# KiCad board kim-1.kicad_pcb (continued)
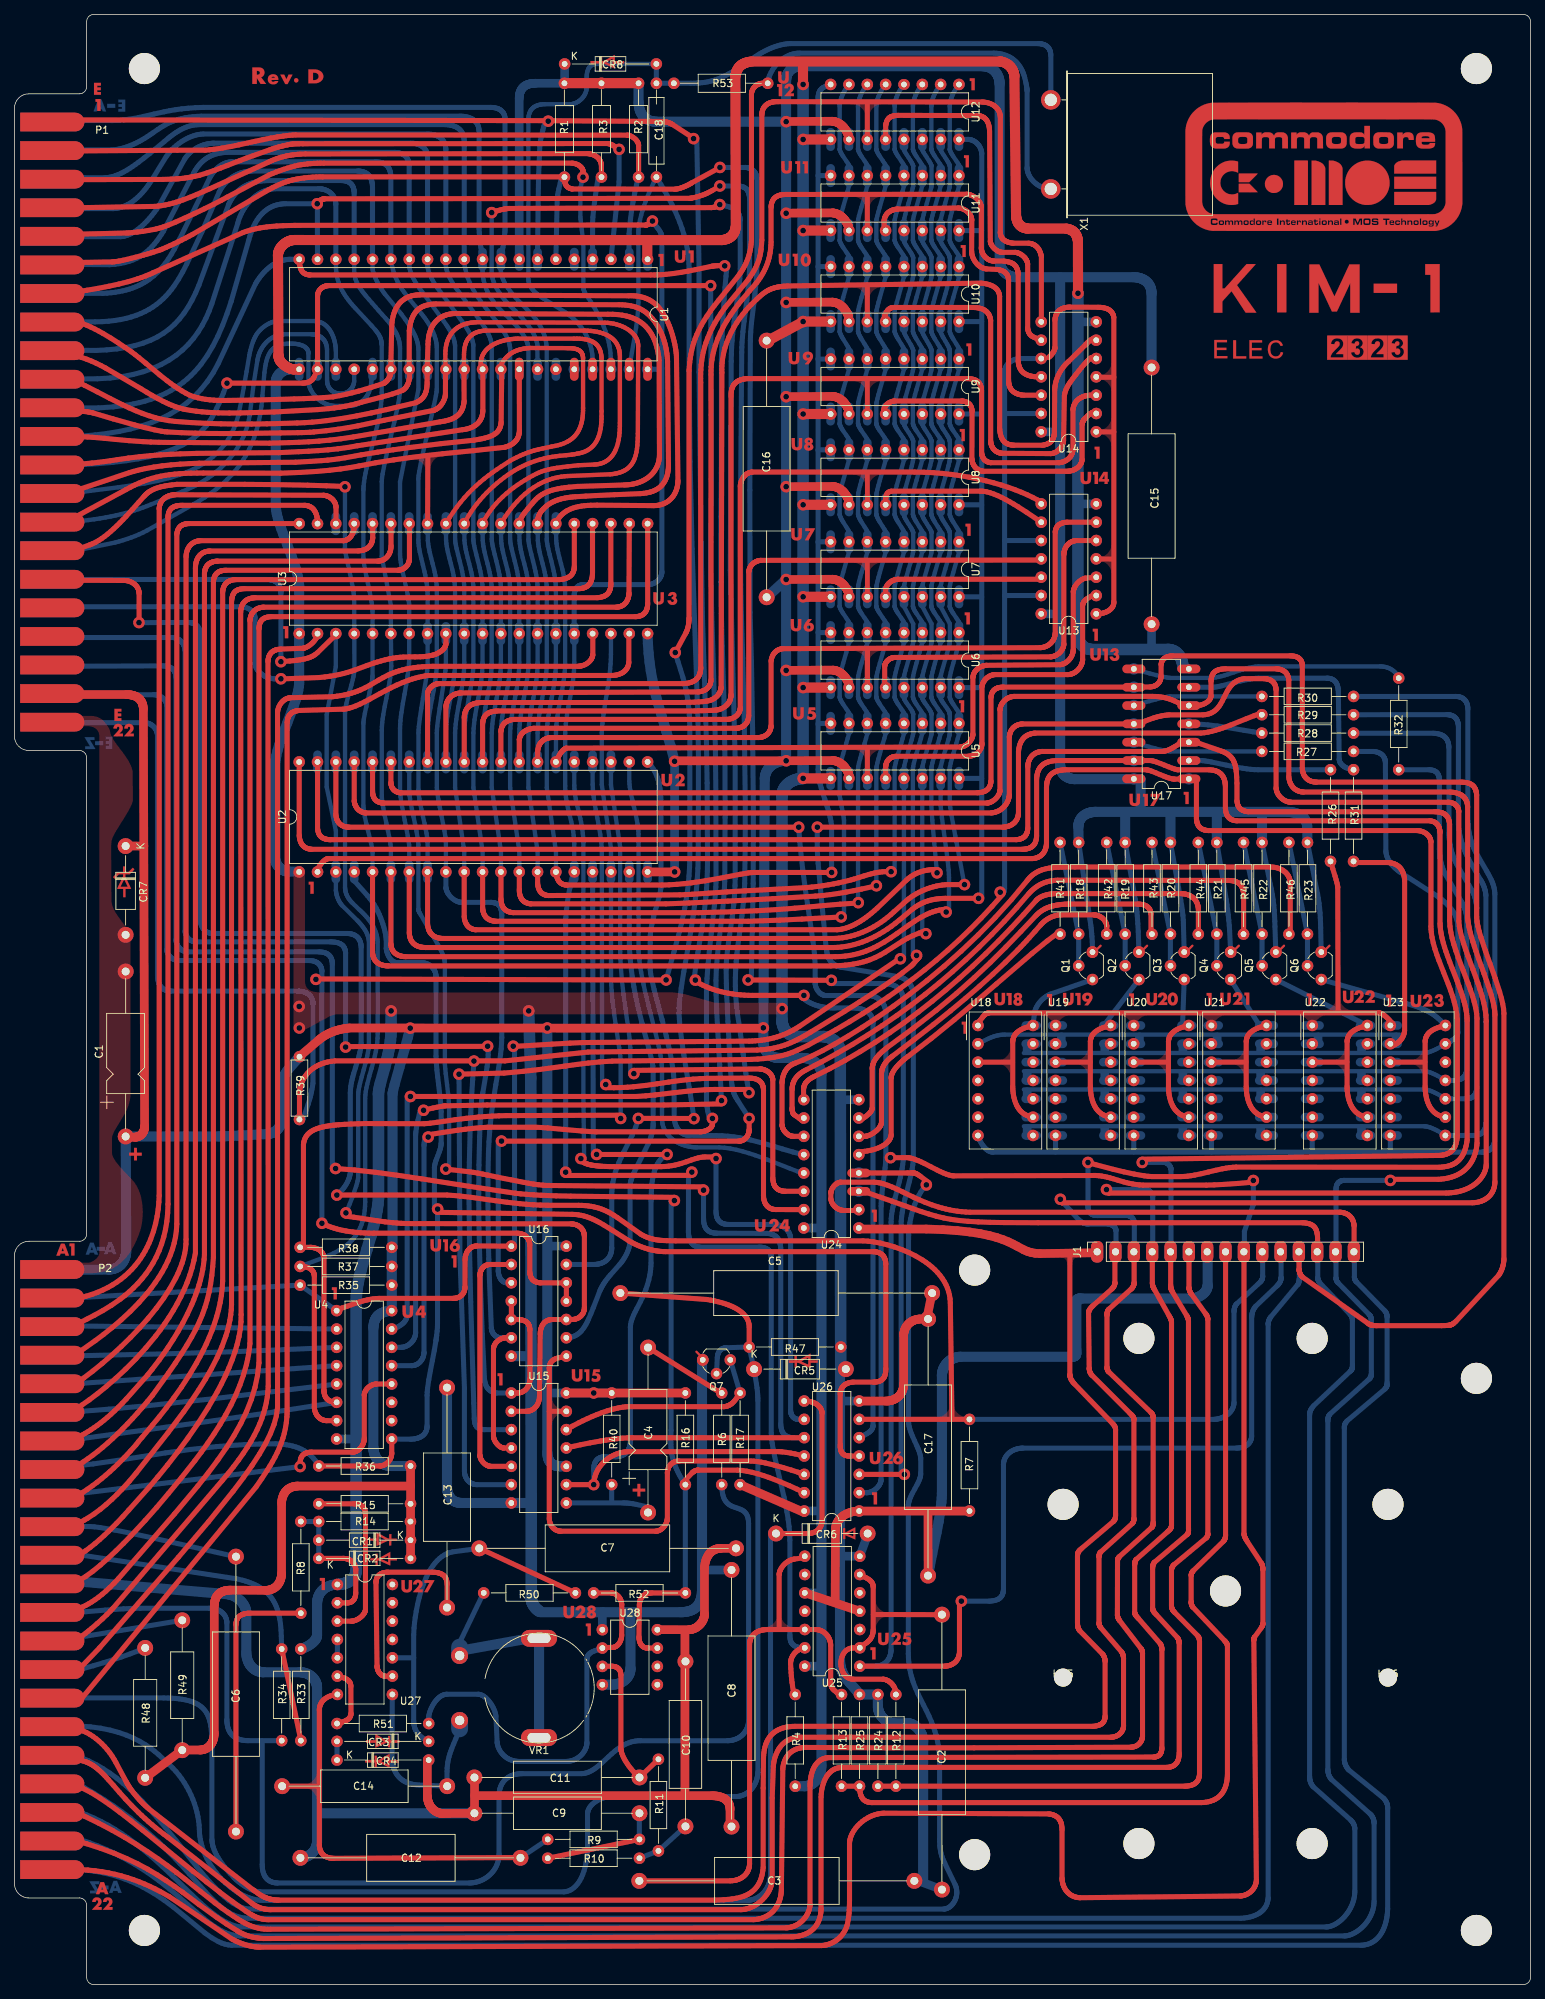
[diagram p0: board, top side]
## Copper pours and planes (outline as drawn; the poured copper is in the pictures) (continued)
/A7 on Bottom: 133.83,219.54 133.84,219.54 133.89,219.5 133.89,219.48 133.91,219.42 133.9,215.82 133.64,215.81 133.64,215.88 133.63,215.94 133.62,216 133.6,216.06 133.58,216.12 133.56,216.18 133.53,216.24 133.51,216.31 133.47,216.37 133.44,216.43 133.4,216.49 133.36,216.55 133.28,216.66 133.19,216.77 133.09,216.87 132.99,216.97 132.88,217.05 132.78,217.12 132.73,217.15 132.67,217.18 132.62,217.2 132.57,217.22 132.53,217.24 132.48,217.25 132.43,217.26 132.39,217.27 132.27,217.4 132.27,217.85 132.44,217.98 132.48,217.99 132.53,218 132.58,218.01 132.62,218.03 132.67,218.06 132.72,218.08 132.77,218.11 132.88,218.18 132.98,218.27 133.08,218.36 133.18,218.47 133.27,218.58 133.36,218.7 133.43,218.82 133.5,218.94 133.55,219.07 133.6,219.2 133.61,219.26 133.63,219.32 133.64,219.38 133.64,219.44 133.65,219.48 133.69,219.52 133.7,219.53 133.76,219.56 133.77,219.56
/A7 on Bottom: 133.83,206.96 133.84,206.95 133.89,206.91 133.89,206.9 133.91,206.84 133.91,203.24 133.64,203.23 133.64,203.29 133.63,203.35 133.62,203.41 133.6,203.47 133.58,203.54 133.56,203.6 133.53,203.66 133.51,203.72 133.47,203.78 133.44,203.84 133.4,203.9 133.36,203.96 133.28,204.08 133.19,204.19 133.09,204.29 132.99,204.38 132.88,204.47 132.78,204.54 132.73,204.57 132.67,204.6 132.62,204.62 132.57,204.64 132.53,204.66 132.48,204.67 132.43,204.68 132.39,204.69 132.27,205.26 132.44,205.4 132.48,205.4 132.53,205.41 132.58,205.43 132.62,205.45 132.67,205.47 132.72,205.5 132.77,205.53 132.88,205.6 132.98,205.68 133.08,205.78 133.18,205.88 133.27,205.99 133.36,206.11 133.43,206.23 133.5,206.36 133.55,206.49 133.6,206.61 133.61,206.67 133.63,206.73 133.64,206.79 133.64,206.85 133.65,206.89 133.69,206.94 133.7,206.95 133.76,206.97 133.77,206.97
/AUD_H on Bottom: 36.16,33.7 36.21,33.67 36.22,33.66 36.25,33.61 36.26,33.6 36.25,33.53 36.25,33.52 36.21,33.47 36.2,33.47 36.14,33.45 36.08,33.44 36.02,33.43 35.96,33.42 35.9,33.4 35.77,33.36 35.64,33.3 35.52,33.23 35.4,33.16 35.28,33.07 35.17,32.98 35.06,32.88 34.97,32.78 34.88,32.68 34.81,32.58 34.78,32.53 34.76,32.48 34.73,32.43 34.71,32.38 34.7,32.33 34.69,32.29 34.68,32.24 34.68,32.2 34.55,32.07 34.1,32.07 34,32.12 33.97,32.19 33.96,32.24 33.95,32.28 33.94,32.33 33.92,32.38 33.9,32.43 33.88,32.48 33.85,32.53 33.82,32.58 33.75,32.68 33.67,32.79 33.57,32.89 33.47,32.99 33.36,33.08 33.25,33.17 33.19,33.2 33.13,33.24 33.07,33.28 33.01,33.31 32.94,33.34 32.88,33.36 32.82,33.38 32.76,33.4 32.7,33.42 32.64,33.43 32.58,33.44 32.51,33.44 32.52,33.71 36.12,33.71
/D0 on Top: 59.16,212.02 59.16,211.76 59.03,211.74 58.94,211.73 58.85,211.71 58.75,211.68 58.67,211.65 58.58,211.61 58.5,211.57 58.43,211.53 58.36,211.48 58.29,211.43 58.23,211.38 58.17,211.32 58.11,211.27 58.06,211.2 58.01,211.14 57.97,211.08 57.92,211.01 57.88,210.95 57.81,210.81 57.75,210.67 57.71,210.54 57.67,210.41 57.64,210.28 57.62,210.17 57.6,210.06 57.47,209.94 57.03,209.94 56.89,210.12 56.89,210.16 56.88,210.21 56.87,210.26 56.83,210.36 56.78,210.46 56.71,210.57 56.64,210.67 56.55,210.78 56.45,210.87 56.34,210.96 56.21,211.05 56.15,211.09 56.08,211.12 56.01,211.16 55.94,211.19 55.87,211.22 55.79,211.24 55.71,211.26 55.63,211.28 55.55,211.29 55.47,211.3 55.38,211.31 55.29,211.31 55.25,211.32 55.23,211.33 55.2,211.35 55.19,211.36 55.18,211.39 55.17,211.41 55.16,211.43 55.17,211.46 55.17,211.48 55.17,211.5 55.19,211.52 55.21,211.55 55.22,211.56 55.25,211.56 55.28,211.58 58.99,212.01 59.13,212.02
/D0 on Top: 119.93,260.8 119.94,260.54 119.88,260.53 119.82,260.53 119.76,260.51 119.7,260.5 119.64,260.48 119.57,260.46 119.51,260.43 119.45,260.4 119.39,260.37 119.33,260.34 119.27,260.3 119.21,260.26 119.09,260.18 118.98,260.09 118.88,259.99 118.79,259.89 118.71,259.78 118.67,259.73 118.64,259.68 118.6,259.63 118.58,259.58 118.55,259.53 118.53,259.48 118.52,259.43 118.5,259.38 118.49,259.34 118.49,259.29 118.43,259.2 118.36,259.18 117.91,259.18 117.78,259.34 117.77,259.39 117.76,259.43 117.74,259.48 117.72,259.53 117.7,259.58 117.67,259.63 117.64,259.68 117.57,259.78 117.49,259.88 117.39,259.98 117.29,260.08 117.18,260.17 117.06,260.26 116.94,260.33 116.81,260.4 116.69,260.46 116.56,260.5 116.5,260.52 116.44,260.53 116.38,260.54 116.32,260.55 116.28,260.56 116.23,260.59 116.22,260.6 116.2,260.66 116.2,260.67 116.21,260.73 116.22,260.75 116.26,260.79 116.27,260.8 116.33,260.81
/D1 on Top: 116.35,247.98 119.88,247.98 119.92,247.97 119.98,247.94 119.98,247.93 120.01,247.87 120.01,247.86 120.01,247.8 120,247.79 119.97,247.74 119.96,247.73 119.9,247.71 119.83,247.7 119.76,247.7 119.69,247.68 119.63,247.67 119.57,247.65 119.5,247.62 119.44,247.6 119.38,247.57 119.32,247.54 119.26,247.51 119.2,247.47 119.15,247.43 119.09,247.39 119.04,247.35 118.99,247.31 118.94,247.26 118.85,247.17 118.77,247.07 118.69,246.97 118.66,246.92 118.63,246.87 118.6,246.82 118.58,246.77 118.56,246.72 118.54,246.67 118.53,246.63 118.51,246.58 118.51,246.53 118.5,246.48 118.49,246.45 118.48,246.44 118.44,246.39 118.43,246.38 118.37,246.37 118.36,246.37 117.9,246.41 117.81,246.46 117.78,246.53 117.78,246.58 117.77,246.62 117.76,246.67 117.75,246.72 117.73,246.77 117.71,246.81 117.65,246.92 117.59,247.02 117.51,247.12 117.42,247.22 117.31,247.32 117.2,247.41 117.08,247.49 117.01,247.52 116.95,247.56 116.88,247.59 116.81,247.62 116.74,247.64 116.66,247.66 116.59,247.68 116.51,247.7 116.44,247.71 116.19,247.71 116.19,247.98
/D2 on Top: 119.95,235.21 119.88,235.21 119.82,235.2 119.76,235.19 119.7,235.17 119.64,235.15 119.58,235.13 119.52,235.11 119.45,235.08 119.39,235.05 119.33,235.01 119.27,234.98 119.21,234.94 119.1,234.85 118.99,234.76 118.89,234.66 118.79,234.56 118.71,234.46 118.67,234.41 118.64,234.35 118.61,234.3 118.58,234.25 118.56,234.2 118.54,234.15 118.52,234.1 118.5,234.06 118.5,234.01 118.49,233.96 118.43,233.87 117.91,233.85 117.78,234.02 117.77,234.06 117.76,234.11 117.75,234.16 117.73,234.21 117.71,234.26 117.66,234.36 117.59,234.46 117.51,234.57 117.42,234.67 117.32,234.76 117.2,234.85 117.08,234.93 117.02,234.97 116.95,235 116.88,235.03 116.81,235.06 116.74,235.08 116.67,235.11 116.59,235.12 116.52,235.14 116.44,235.15 116.36,235.16 116.3,235.16 116.2,235.16 116.16,235.16 116.19,235.42 116.3,235.42 119.93,235.48
/D3 on Top: 119.95,222.2 119.88,222.19 119.82,222.18 119.76,222.17 119.7,222.16 119.64,222.14 119.57,222.12 119.51,222.1 119.45,222.07 119.39,222.04 119.32,222.01 119.26,221.98 119.2,221.94 119.09,221.86 118.98,221.78 118.87,221.69 118.78,221.59 118.74,221.54 118.7,221.49 118.66,221.44 118.62,221.39 118.59,221.34 118.56,221.3 118.54,221.25 118.52,221.2 118.5,221.15 118.49,221.11 118.48,221.06 118.47,221.02 118.35,220.9 117.93,220.89 117.9,220.89 117.88,220.9 117.86,220.91 117.83,220.93 117.82,220.94 117.81,220.97 117.8,221 117.79,221.06 117.79,221.1 117.78,221.15 117.76,221.19 117.74,221.24 117.72,221.29 117.67,221.4 117.6,221.5 117.52,221.6 117.42,221.7 117.32,221.79 117.2,221.88 117.08,221.96 116.94,222.03 116.88,222.06 116.81,222.09 116.73,222.11 116.66,222.13 116.58,222.15 116.51,222.17 116.43,222.18 116.35,222.18 116.33,222.18 116.19,222.18 116.18,222.45 116.33,222.45 119.94,222.46
/D4 on Top: 119.95,209.5 119.96,209.23 119.89,209.23 119.83,209.22 119.77,209.21 119.71,209.2 119.65,209.18 119.58,209.16 119.52,209.13 119.46,209.11 119.4,209.08 119.33,209.05 119.27,209.01 119.21,208.98 119.1,208.9 118.99,208.81 118.88,208.72 118.79,208.63 118.75,208.58 118.71,208.53 118.67,208.48 118.63,208.43 118.6,208.38 118.57,208.33 118.55,208.29 118.53,208.24 118.51,208.19 118.5,208.15 118.49,208.1 118.48,208.06 118.36,207.94 117.94,207.93 117.91,207.93 117.89,207.93 117.84,207.97 117.83,207.98 117.81,208.03 117.8,208.09 117.8,208.14 117.78,208.18 117.77,208.23 117.75,208.28 117.73,208.32 117.67,208.43 117.6,208.53 117.52,208.63 117.42,208.72 117.31,208.82 117.19,208.9 117.07,208.98 116.93,209.06 116.79,209.12 116.72,209.14 116.65,209.17 116.57,209.19 116.5,209.2 116.42,209.22 116.35,209.23 116.27,209.23 116.19,209.23 116.2,209.5
/D5 on Top: 119.94,197.29 119.95,197.02 119.89,197.02 119.83,197.01 119.77,197 119.7,196.98 119.64,196.97 119.58,196.95 119.52,196.92 119.45,196.9 119.39,196.87 119.33,196.83 119.27,196.8 119.21,196.77 119.09,196.69 118.98,196.6 118.88,196.51 118.78,196.41 118.74,196.37 118.7,196.32 118.66,196.27 118.63,196.22 118.6,196.17 118.57,196.12 118.55,196.07 118.53,196.03 118.51,195.98 118.49,195.93 118.49,195.89 118.48,195.84 118.35,195.73 117.94,195.71 117.9,195.72 117.89,195.72 117.84,195.75 117.83,195.77 117.8,195.82 117.8,195.88 117.79,195.93 117.78,195.97 117.77,196.02 117.75,196.06 117.72,196.11 117.67,196.21 117.6,196.31 117.51,196.41 117.41,196.51 117.31,196.61 117.19,196.69 117.06,196.77 116.93,196.84 116.79,196.91 116.72,196.93 116.64,196.95 116.57,196.97 116.49,196.99 116.42,197 116.34,197.01 116.27,197.02 116.19,197.02 116.19,197.29
/D6 on Top: 119.95,185.08 119.96,184.81 119.9,184.81 119.84,184.8 119.78,184.79 119.71,184.78 119.65,184.76 119.59,184.74 119.53,184.71 119.46,184.69 119.4,184.66 119.34,184.63 119.28,184.59 119.22,184.56 119.1,184.48 118.99,184.39 118.89,184.3 118.79,184.21 118.75,184.16 118.71,184.11 118.67,184.06 118.64,184.01 118.61,183.96 118.58,183.91 118.56,183.87 118.54,183.82 118.52,183.77 118.51,183.73 118.5,183.68 118.49,183.64 118.36,183.52 117.95,183.51 117.91,183.51 117.9,183.51 117.85,183.55 117.84,183.56 117.81,183.61 117.81,183.67 117.8,183.72 117.79,183.76 117.78,183.81 117.76,183.86 117.73,183.9 117.68,184.01 117.61,184.11 117.52,184.21 117.42,184.3 117.32,184.4 117.2,184.48 117.07,184.56 116.94,184.64 116.8,184.7 116.73,184.72 116.65,184.75 116.58,184.77 116.5,184.78 116.43,184.8 116.35,184.81 116.28,184.81 116.2,184.81 116.2,185.08
/D7 on Top: 119.95,171.37 119.96,171.1 119.9,171.1 119.84,171.09 119.78,171.08 119.71,171.07 119.65,171.05 119.59,171.03 119.53,171 119.46,170.98 119.4,170.95 119.34,170.92 119.28,170.88 119.22,170.85 119.1,170.77 118.99,170.68 118.89,170.59 118.79,170.5 118.75,170.45 118.71,170.4 118.67,170.35 118.64,170.3 118.61,170.25 118.58,170.2 118.56,170.15 118.54,170.11 118.52,170.06 118.51,170.02 118.5,169.97 118.49,169.92 118.36,169.81 117.95,169.79 117.91,169.8 117.9,169.8 117.85,169.84 117.84,169.85 117.81,169.9 117.81,169.96 117.8,170.01 117.79,170.05 117.78,170.1 117.76,170.15 117.73,170.19 117.68,170.3 117.61,170.4 117.52,170.5 117.42,170.59 117.32,170.69 117.2,170.77 117.07,170.85 116.94,170.93 116.8,170.99 116.73,171.01 116.65,171.04 116.58,171.06 116.5,171.07 116.43,171.09 116.35,171.1 116.28,171.1 116.2,171.1 116.2,171.37
/E on Bottom: 166.16,116.89 166.16,116.85 166.18,116.8 166.19,116.75 166.21,116.71 166.23,116.66 166.26,116.61 166.29,116.56 166.36,116.45 166.44,116.35 166.54,116.25 166.64,116.15 166.76,116.06 166.87,115.98 167,115.9 167.12,115.83 167.25,115.78 167.37,115.73 167.43,115.72 167.49,115.7 167.55,115.69 167.62,115.69 167.65,115.68 167.7,115.64 167.71,115.63 167.73,115.57 167.73,115.56 167.72,115.5 167.72,115.49 167.67,115.44 167.66,115.44 167.6,115.42 164,115.43 163.99,115.69 164.05,115.69 164.11,115.7 164.17,115.71 164.24,115.73 164.3,115.75 164.36,115.77 164.42,115.8 164.48,115.82 164.54,115.86 164.61,115.89 164.67,115.93 164.72,115.97 164.84,116.05 164.95,116.14 165.05,116.24 165.14,116.34 165.23,116.45 165.3,116.55 165.33,116.6 165.36,116.66 165.38,116.71 165.4,116.76 165.42,116.8 165.43,116.85 165.44,116.9 165.45,116.94 165.46,116.98 165.51,117.04 166.02,117.06
/E on Bottom: 155.39,116.89 155.4,116.85 155.41,116.8 155.42,116.75 155.44,116.71 155.46,116.66 155.49,116.61 155.52,116.56 155.59,116.45 155.68,116.35 155.77,116.25 155.87,116.15 155.99,116.06 156.1,115.98 156.23,115.9 156.35,115.83 156.48,115.78 156.6,115.73 156.66,115.72 156.72,115.7 156.78,115.69 156.85,115.69 156.88,115.68 156.93,115.64 156.94,115.63 156.96,115.57 156.96,115.56 156.95,115.5 156.95,115.49 156.9,115.44 156.89,115.44 156.83,115.42 153.23,115.43 153.22,115.69 153.28,115.69 153.34,115.7 153.4,115.71 153.47,115.73 153.53,115.75 153.59,115.77 153.65,115.8 153.71,115.82 153.78,115.86 153.84,115.89 153.9,115.93 153.95,115.97 154.07,116.05 154.18,116.14 154.28,116.24 154.37,116.34 154.46,116.45 154.53,116.55 154.56,116.6 154.59,116.66 154.61,116.71 154.63,116.76 154.65,116.8 154.66,116.85 154.67,116.9 154.68,116.94 154.69,116.98 154.81,117.06 155.25,117.06
/E on Bottom: 180.12,116.89 180.13,116.85 180.14,116.8 180.15,116.75 180.17,116.71 180.19,116.66 180.22,116.61 180.25,116.56 180.32,116.45 180.41,116.35 180.5,116.25 180.6,116.15 180.72,116.06 180.83,115.98 180.96,115.9 181.08,115.83 181.21,115.78 181.33,115.73 181.39,115.72 181.46,115.7 181.52,115.69 181.58,115.69 181.61,115.68 181.66,115.64 181.67,115.63 181.69,115.57 181.7,115.56 181.68,115.5 181.68,115.49 181.63,115.44 181.62,115.44 181.56,115.42 177.96,115.43 177.95,115.69 178.02,115.69 178.07,115.7 178.14,115.71 178.2,115.73 178.26,115.75 178.32,115.77 178.38,115.8 178.44,115.82 178.51,115.86 178.57,115.89 178.63,115.93 178.69,115.97 178.8,116.05 178.91,116.14 179.01,116.24 179.11,116.34 179.19,116.45 179.26,116.55 179.29,116.6 179.32,116.66 179.34,116.71 179.36,116.76 179.38,116.8 179.39,116.85 179.4,116.9 179.41,116.94 179.47,117.04 179.98,117.06
/E on Bottom: 190.94,116.89 190.94,116.85 190.95,116.8 190.97,116.75 190.99,116.71 191.01,116.66 191.04,116.61 191.07,116.56 191.14,116.45 191.22,116.35 191.32,116.25 191.42,116.15 191.53,116.06 191.65,115.97 191.77,115.9 191.9,115.83 192.02,115.78 192.15,115.73 192.21,115.72 192.27,115.7 192.33,115.69 192.39,115.69 192.43,115.68 192.48,115.64 192.49,115.63 192.51,115.57 192.51,115.56 192.5,115.5 192.49,115.49 192.45,115.44 192.44,115.44 192.38,115.42 188.78,115.42 188.77,115.69 188.83,115.69 188.89,115.7 188.95,115.71 189.01,115.73 189.07,115.75 189.14,115.77 189.2,115.8 189.26,115.82 189.32,115.86 189.38,115.89 189.44,115.93 189.5,115.97 189.62,116.05 189.73,116.14 189.83,116.24 189.92,116.34 190,116.45 190.08,116.55 190.11,116.6 190.13,116.66 190.16,116.71 190.18,116.76 190.2,116.8 190.21,116.85 190.22,116.9 190.23,116.94 190.28,117.04 190.8,117.06
/E on Bottom: 144.56,116.89 144.57,116.84 144.58,116.8 144.6,116.75 144.62,116.7 144.64,116.65 144.67,116.6 144.69,116.55 144.77,116.45 144.85,116.35 144.94,116.25 145.05,116.15 145.16,116.06 145.28,115.97 145.4,115.9 145.53,115.83 145.65,115.77 145.78,115.73 145.84,115.71 145.9,115.7 145.96,115.69 146.02,115.68 146.06,115.67 146.11,115.64 146.12,115.63 146.14,115.57 146.14,115.56 146.13,115.5 146.12,115.49 146.08,115.44 146.07,115.43 146.01,115.42 142.41,115.42 142.4,115.69 142.46,115.69 142.52,115.7 142.58,115.71 142.64,115.73 142.7,115.75 142.76,115.77 142.83,115.79 142.89,115.82 142.95,115.85 143.01,115.89 143.07,115.93 143.13,115.96 143.25,116.05 143.35,116.14 143.46,116.24 143.55,116.34 143.63,116.45 143.7,116.55 143.73,116.6 143.76,116.65 143.79,116.7 143.81,116.75 143.82,116.8 143.84,116.85 143.85,116.89 143.85,116.94 143.86,116.98 144.43,117.06
/ROW0 on Top: 147.33,101.03 147.31,100.77 147.25,100.77 147.19,100.76 147.14,100.75 147.09,100.74 147.05,100.72 147,100.71 146.96,100.69 146.93,100.67 146.61,100.25 146.58,100.17 146.57,100.08 146.55,99.99 146.55,99.89 146.54,99.79 146.53,99.76 146.53,99.74 146.49,99.69 146.48,99.69 146.42,99.67 146.41,99.67 145.97,99.67 145.82,99.88 145.81,99.98 145.79,100.07 145.76,100.16 145.73,100.24 145.7,100.32 145.41,100.63 145.37,100.65 145.33,100.67 145.29,100.68 145.24,100.7 145.2,100.71 145.15,100.72 145.09,100.73 145.04,100.73 144.97,100.74 144.98,101 147.29,101.04
/~{RES} on Bottom: 89.62,225.78 89.63,225.78 89.67,225.73 89.68,225.72 89.69,225.66 89.69,222.06 89.43,222.05 89.42,222.11 89.41,222.17 89.4,222.23 89.39,222.3 89.37,222.36 89.34,222.42 89.32,222.48 89.29,222.54 89.26,222.6 89.22,222.67 89.19,222.73 89.15,222.78 89.06,222.9 88.97,223.01 88.87,223.11 88.77,223.2 88.67,223.29 88.56,223.36 88.51,223.39 88.46,223.42 88.41,223.44 88.36,223.46 88.31,223.48 88.26,223.49 88.22,223.5 88.17,223.51 88.14,223.52 88.06,223.64 88.06,224.08 88.23,224.22 88.27,224.22 88.31,224.24 88.36,224.25 88.41,224.27 88.46,224.29 88.51,224.32 88.56,224.35 88.66,224.42 88.77,224.5 88.87,224.6 88.96,224.7 89.05,224.81 89.14,224.93 89.22,225.06 89.28,225.18 89.34,225.31 89.38,225.43 89.4,225.49 89.41,225.55 89.42,225.61 89.43,225.68 89.44,225.71 89.47,225.76 89.48,225.77 89.54,225.79 89.56,225.79
SST on Top: 130.2,79.87 130.21,79.83 130.22,79.78 130.23,79.74 130.25,79.69 130.27,79.64 130.3,79.59 130.33,79.54 130.4,79.44 130.49,79.33 130.58,79.23 130.68,79.13 130.8,79.04 130.91,78.96 131.04,78.88 131.16,78.82 131.29,78.76 131.41,78.72 131.47,78.7 131.53,78.69 131.59,78.68 131.66,78.67 131.69,78.66 131.74,78.62 131.75,78.61 131.77,78.56 131.77,78.54 131.76,78.48 131.76,78.47 131.71,78.43 131.7,78.42 131.64,78.41 128.04,78.41 128.03,78.67 128.09,78.68 128.15,78.69 128.21,78.7 128.28,78.71 128.34,78.73 128.4,78.75 128.46,78.78 128.52,78.81 128.59,78.84 128.65,78.87 128.71,78.91 128.76,78.95 128.88,79.03 128.99,79.13 129.09,79.22 129.18,79.33 129.27,79.43 129.34,79.54 129.37,79.59 129.4,79.64 129.42,79.69 129.44,79.74 129.46,79.79 129.47,79.83 129.48,79.88 129.49,79.93 129.62,80.04 130.06,80.04
Net-(#FLG0101-pwr) on Bottom: 55.14,47.19 55.16,47.18 55.2,47.14 55.21,47.13 55.22,47.07 55.22,43.47 54.95,43.46 54.95,43.52 54.94,43.58 54.93,43.64 54.91,43.7 54.9,43.77 54.87,43.83 54.85,43.89 54.82,43.95 54.79,44.01 54.75,44.07 54.72,44.13 54.68,44.19 54.59,44.31 54.5,44.42 54.4,44.52 54.3,44.61 54.2,44.69 54.09,44.77 54.04,44.8 53.99,44.82 53.94,44.85 53.89,44.87 53.84,44.89 53.79,44.9 53.75,44.91 53.7,44.92 53.66,44.93 53.59,45.05 53.59,45.49 53.76,45.63 53.8,45.63 53.84,45.64 53.89,45.66 53.94,45.68 53.99,45.7 54.04,45.73 54.09,45.76 54.19,45.83 54.3,45.91 54.4,46.01 54.49,46.11 54.58,46.22 54.67,46.34 54.75,46.46 54.81,46.59 54.87,46.71 54.91,46.84 54.93,46.9 54.94,46.96 54.95,47.02 54.96,47.08 54.97,47.12 55,47.17 55.01,47.18 55.07,47.2 55.08,47.2
Net-(C4-Pad1) on Bottom: 83.08,68.28 83.09,68.23 83.1,68.19 83.12,68.14 83.14,68.09 83.16,68.04 83.18,67.99 83.21,67.94 83.29,67.84 83.37,67.74 83.46,67.64 83.57,67.54 83.68,67.45 83.8,67.36 83.92,67.29 84.05,67.22 84.17,67.16 84.3,67.12 84.36,67.1 84.42,67.09 84.48,67.08 84.54,67.07 84.58,67.06 84.63,67.03 84.64,67.02 84.66,66.96 84.66,66.95 84.65,66.89 84.64,66.87 84.6,66.83 84.59,66.82 84.53,66.81 80.92,66.81 80.92,67.08 80.98,67.08 81.04,67.09 81.1,67.1 81.16,67.12 81.22,67.14 81.28,67.16 81.35,67.18 81.41,67.21 81.47,67.24 81.53,67.28 81.59,67.31 81.65,67.35 81.77,67.44 81.87,67.53 81.98,67.63 82.07,67.73 82.15,67.83 82.22,67.94 82.25,67.99 82.28,68.04 82.31,68.09 82.33,68.14 82.34,68.19 82.36,68.24 82.37,68.28 82.37,68.33 82.38,68.37 82.5,68.45 82.95,68.45
Net-(Q1-C) on Top: 138.2,129.62 138.21,126.02 138.2,125.98 138.17,125.92 138.16,125.92 138.11,125.89 138.09,125.88 138.03,125.89 138.02,125.89 137.97,125.93 137.96,125.94 137.94,126 137.94,126.06 137.93,126.12 137.91,126.18 137.9,126.24 137.85,126.37 137.8,126.5 137.73,126.62 137.65,126.74 137.57,126.86 137.48,126.97 137.38,127.08 137.28,127.17 137.18,127.26 137.07,127.33 137.02,127.36 136.97,127.38 136.92,127.41 136.87,127.43 136.83,127.44 136.78,127.45 136.74,127.46 136.69,127.46 136.57,127.59 136.57,128.04 136.58,128.08 136.62,128.14 136.68,128.17 136.73,128.18 136.78,128.18 136.82,128.2 136.87,128.21 136.92,128.24 136.97,128.26 137.02,128.29 137.08,128.32 137.18,128.39 137.29,128.47 137.39,128.57 137.49,128.67 137.58,128.78 137.66,128.89 137.7,128.95 137.74,129.01 137.77,129.07 137.8,129.13 137.83,129.2 137.86,129.26 137.88,129.32 137.9,129.38 137.91,129.44 137.93,129.5 137.93,129.56 137.94,129.63
Net-(Q2-C) on Top: 148.95,129.62 148.96,126.02 148.95,125.98 148.92,125.92 148.91,125.92 148.86,125.89 148.84,125.88 148.78,125.89 148.77,125.89 148.72,125.93 148.71,125.94 148.69,126 148.69,126.06 148.68,126.12 148.66,126.18 148.65,126.24 148.6,126.37 148.55,126.5 148.48,126.62 148.4,126.74 148.32,126.86 148.23,126.97 148.13,127.08 148.03,127.17 147.93,127.26 147.82,127.33 147.77,127.36 147.72,127.38 147.67,127.41 147.62,127.43 147.58,127.44 147.53,127.45 147.49,127.46 147.44,127.46 147.32,127.59 147.32,128.04 147.33,128.08 147.37,128.14 147.43,128.17 147.48,128.18 147.53,128.18 147.57,128.2 147.62,128.21 147.67,128.24 147.72,128.26 147.77,128.29 147.83,128.32 147.93,128.39 148.04,128.47 148.14,128.57 148.24,128.67 148.33,128.78 148.41,128.89 148.45,128.95 148.49,129.01 148.52,129.07 148.55,129.13 148.58,129.2 148.61,129.26 148.63,129.32 148.65,129.38 148.66,129.44 148.68,129.5 148.68,129.56 148.69,129.63
Net-(Q3-C) on Top: 159.77,129.62 159.78,126.02 159.77,125.98 159.74,125.92 159.73,125.92 159.68,125.89 159.66,125.88 159.6,125.89 159.59,125.89 159.54,125.93 159.53,125.94 159.51,126 159.51,126.06 159.5,126.12 159.48,126.18 159.47,126.24 159.42,126.37 159.37,126.5 159.3,126.62 159.22,126.74 159.14,126.86 159.05,126.97 158.95,127.08 158.85,127.17 158.75,127.26 158.64,127.33 158.59,127.36 158.54,127.38 158.49,127.41 158.44,127.43 158.4,127.44 158.35,127.45 158.31,127.46 158.26,127.46 158.14,127.59 158.14,128.04 158.15,128.08 158.19,128.14 158.25,128.17 158.3,128.18 158.35,128.18 158.39,128.2 158.44,128.21 158.49,128.24 158.54,128.26 158.59,128.29 158.65,128.32 158.75,128.39 158.86,128.47 158.96,128.57 159.06,128.67 159.15,128.78 159.23,128.89 159.27,128.95 159.31,129.01 159.34,129.07 159.37,129.13 159.4,129.2 159.43,129.26 159.45,129.32 159.47,129.38 159.48,129.44 159.5,129.5 159.5,129.56 159.51,129.63
Net-(Q4-C) on Top: 170.54,129.62 170.54,126.02 170.54,125.98 170.51,125.92 170.5,125.92 170.45,125.89 170.43,125.88 170.37,125.89 170.36,125.89 170.31,125.93 170.3,125.94 170.28,126 170.27,126.06 170.26,126.12 170.25,126.18 170.23,126.24 170.19,126.37 170.13,126.5 170.07,126.62 169.99,126.74 169.91,126.86 169.82,126.97 169.72,127.08 169.62,127.17 169.52,127.26 169.41,127.33 169.36,127.36 169.31,127.38 169.26,127.41 169.21,127.43 169.17,127.44 169.12,127.45 169.08,127.46 169.03,127.46 168.91,127.59 168.91,128.04 168.91,128.08 168.96,128.14 169.02,128.17 169.07,128.18 169.12,128.18 169.16,128.2 169.21,128.21 169.26,128.24 169.31,128.26 169.36,128.29 169.41,128.32 169.52,128.39 169.62,128.47 169.73,128.57 169.82,128.67 169.92,128.78 170,128.89 170.04,128.95 170.08,129.01 170.11,129.07 170.14,129.13 170.17,129.2 170.2,129.26 170.22,129.32 170.24,129.38 170.25,129.44 170.26,129.5 170.27,129.56 170.28,129.63
Net-(Q5-C) on Top: 184.51,129.62 184.52,126.02 184.51,125.98 184.48,125.92 184.47,125.92 184.42,125.89 184.4,125.88 184.34,125.89 184.33,125.89 184.28,125.93 184.27,125.94 184.25,126 184.25,126.06 184.24,126.12 184.22,126.18 184.21,126.24 184.16,126.37 184.11,126.5 184.04,126.62 183.96,126.74 183.88,126.86 183.79,126.97 183.69,127.08 183.59,127.17 183.49,127.26 183.38,127.33 183.33,127.36 183.28,127.38 183.23,127.41 183.18,127.43 183.14,127.44 183.09,127.45 183.05,127.46 183,127.46 182.88,127.59 182.88,128.04 182.89,128.08 182.93,128.14 182.99,128.17 183.04,128.18 183.09,128.18 183.13,128.2 183.18,128.21 183.23,128.24 183.28,128.26 183.33,128.29 183.39,128.32 183.49,128.39 183.6,128.47 183.7,128.57 183.8,128.67 183.89,128.78 183.97,128.89 184.01,128.95 184.05,129.01 184.08,129.07 184.11,129.13 184.14,129.2 184.17,129.26 184.19,129.32 184.21,129.38 184.22,129.44 184.24,129.5 184.24,129.56 184.25,129.63
Net-(Q6-C) on Top: 195.32,129.61 195.33,126.01 195.32,125.97 195.29,125.92 195.28,125.91 195.23,125.88 195.21,125.88 195.15,125.89 195.14,125.89 195.09,125.93 195.08,125.94 195.06,126 195.06,126.06 195.05,126.12 195.03,126.18 195.02,126.24 194.97,126.37 194.92,126.49 194.85,126.62 194.77,126.74 194.69,126.86 194.6,126.97 194.5,127.07 194.4,127.17 194.3,127.25 194.19,127.32 194.14,127.35 194.09,127.38 194.04,127.4 193.99,127.42 193.95,127.44 193.9,127.45 193.86,127.46 193.81,127.46 193.69,127.59 193.69,128.03 193.8,128.17 193.85,128.17 193.9,128.18 193.94,128.2 193.99,128.21 194.04,128.23 194.09,128.26 194.14,128.28 194.2,128.32 194.3,128.39 194.41,128.47 194.51,128.56 194.61,128.66 194.7,128.77 194.78,128.89 194.82,128.95 194.86,129.01 194.89,129.07 194.92,129.13 194.95,129.19 194.98,129.25 195,129.32 195.02,129.38 195.03,129.44 195.05,129.5 195.05,129.56 195.06,129.62
